# KiCad board VideoEncoder.kicad_pcb
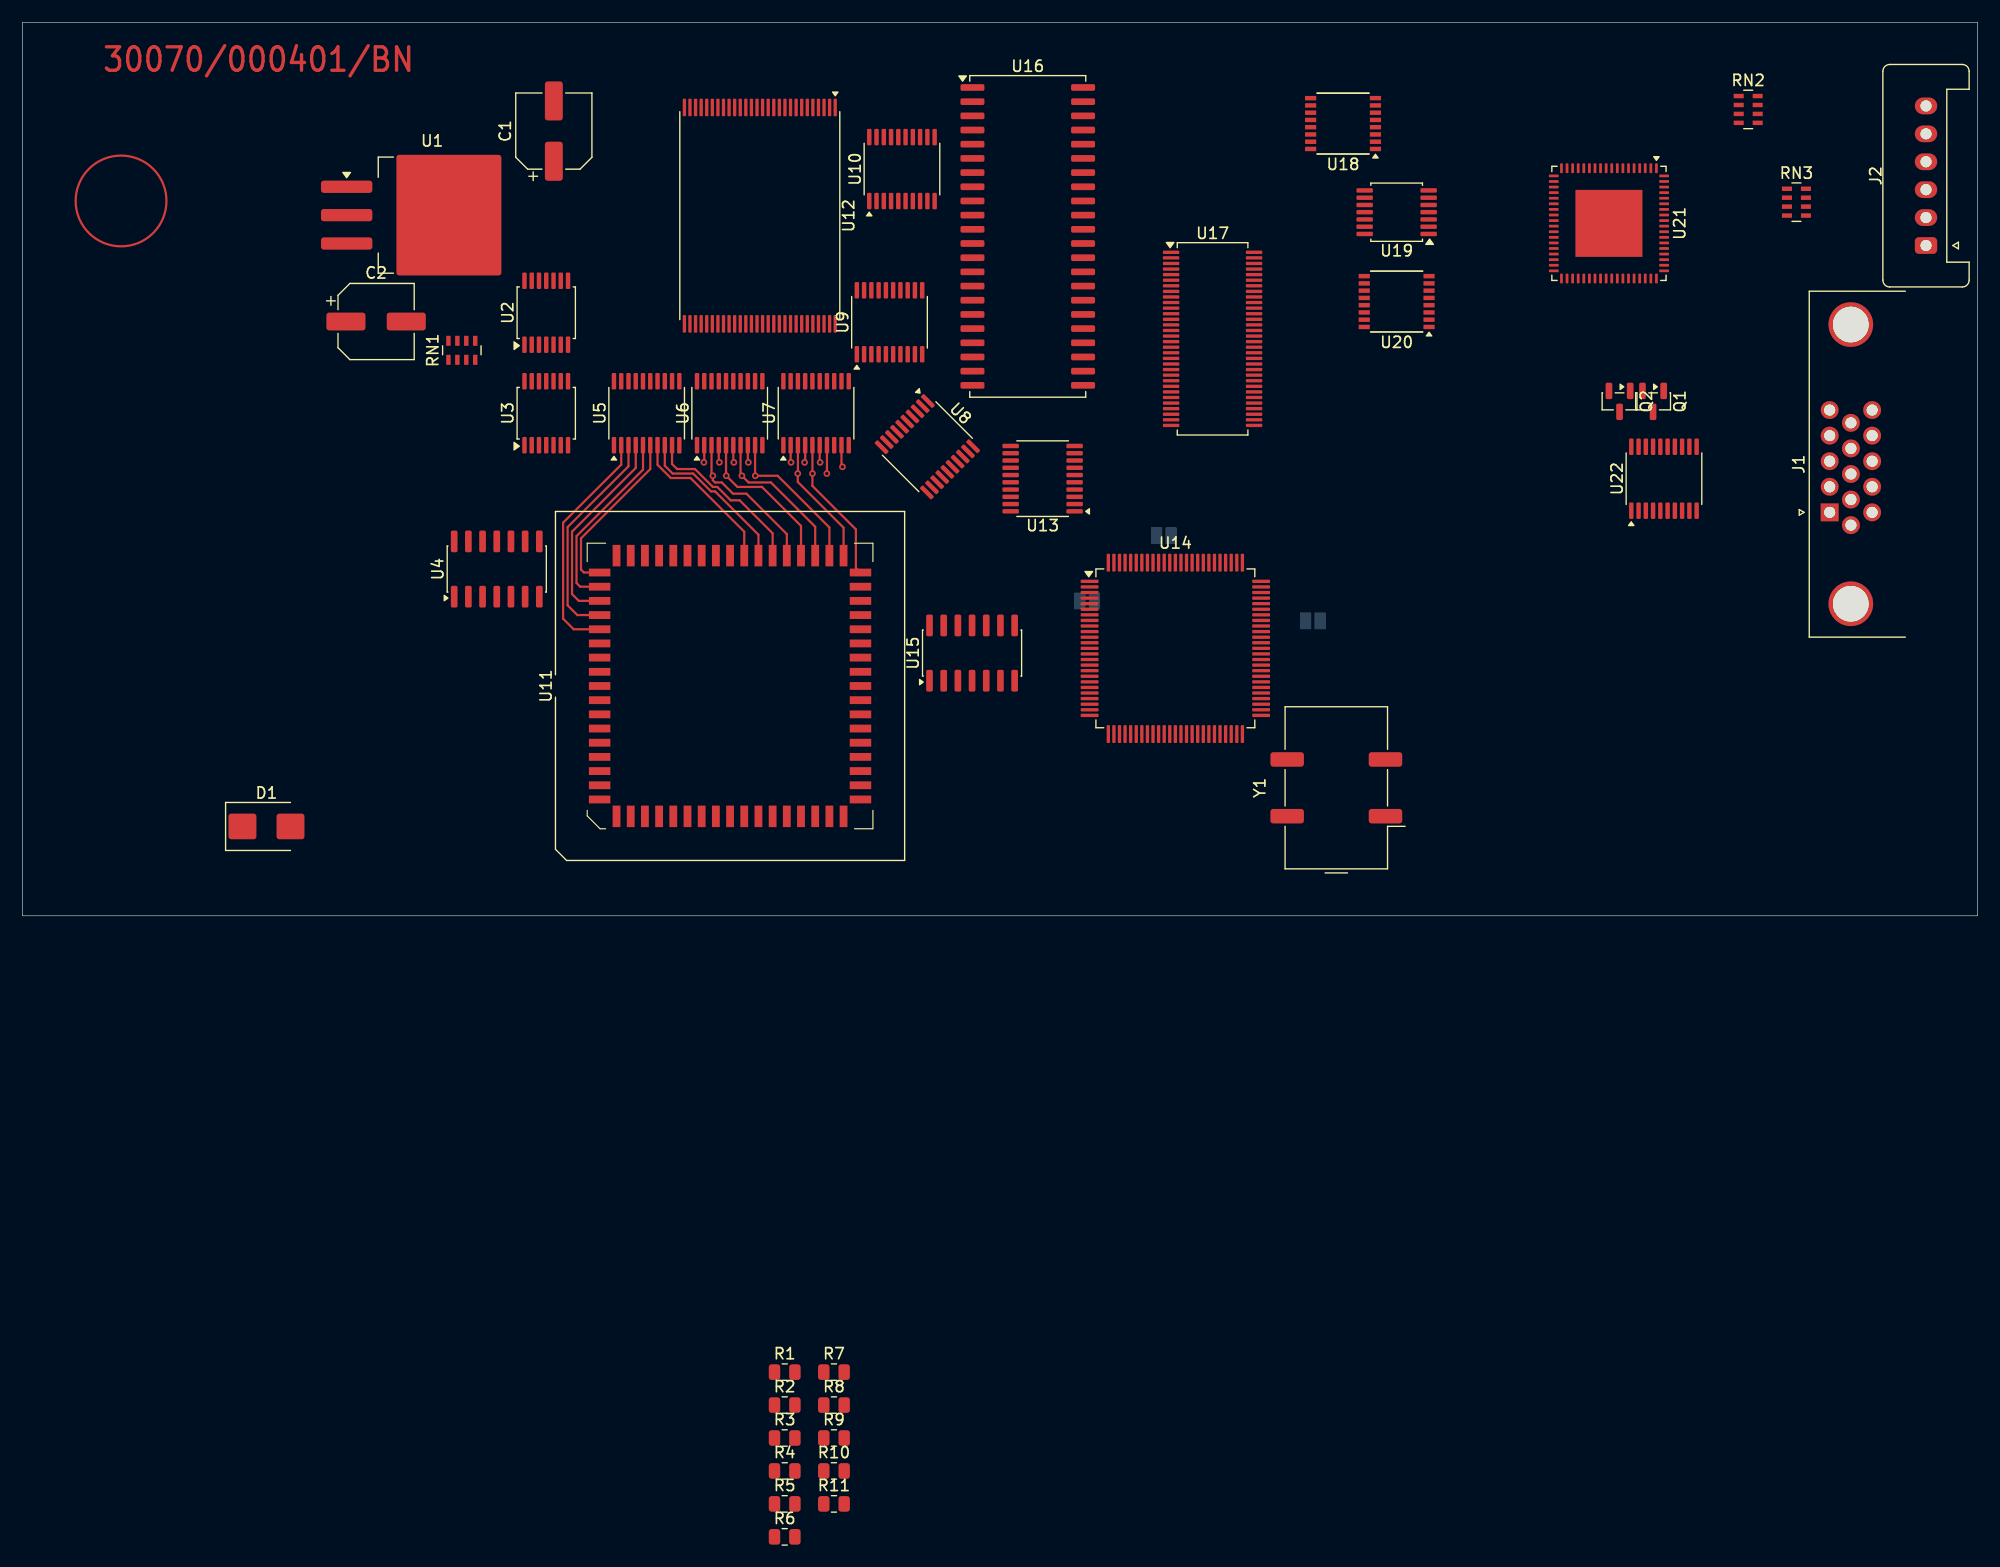
[diagram p0: board, top side]
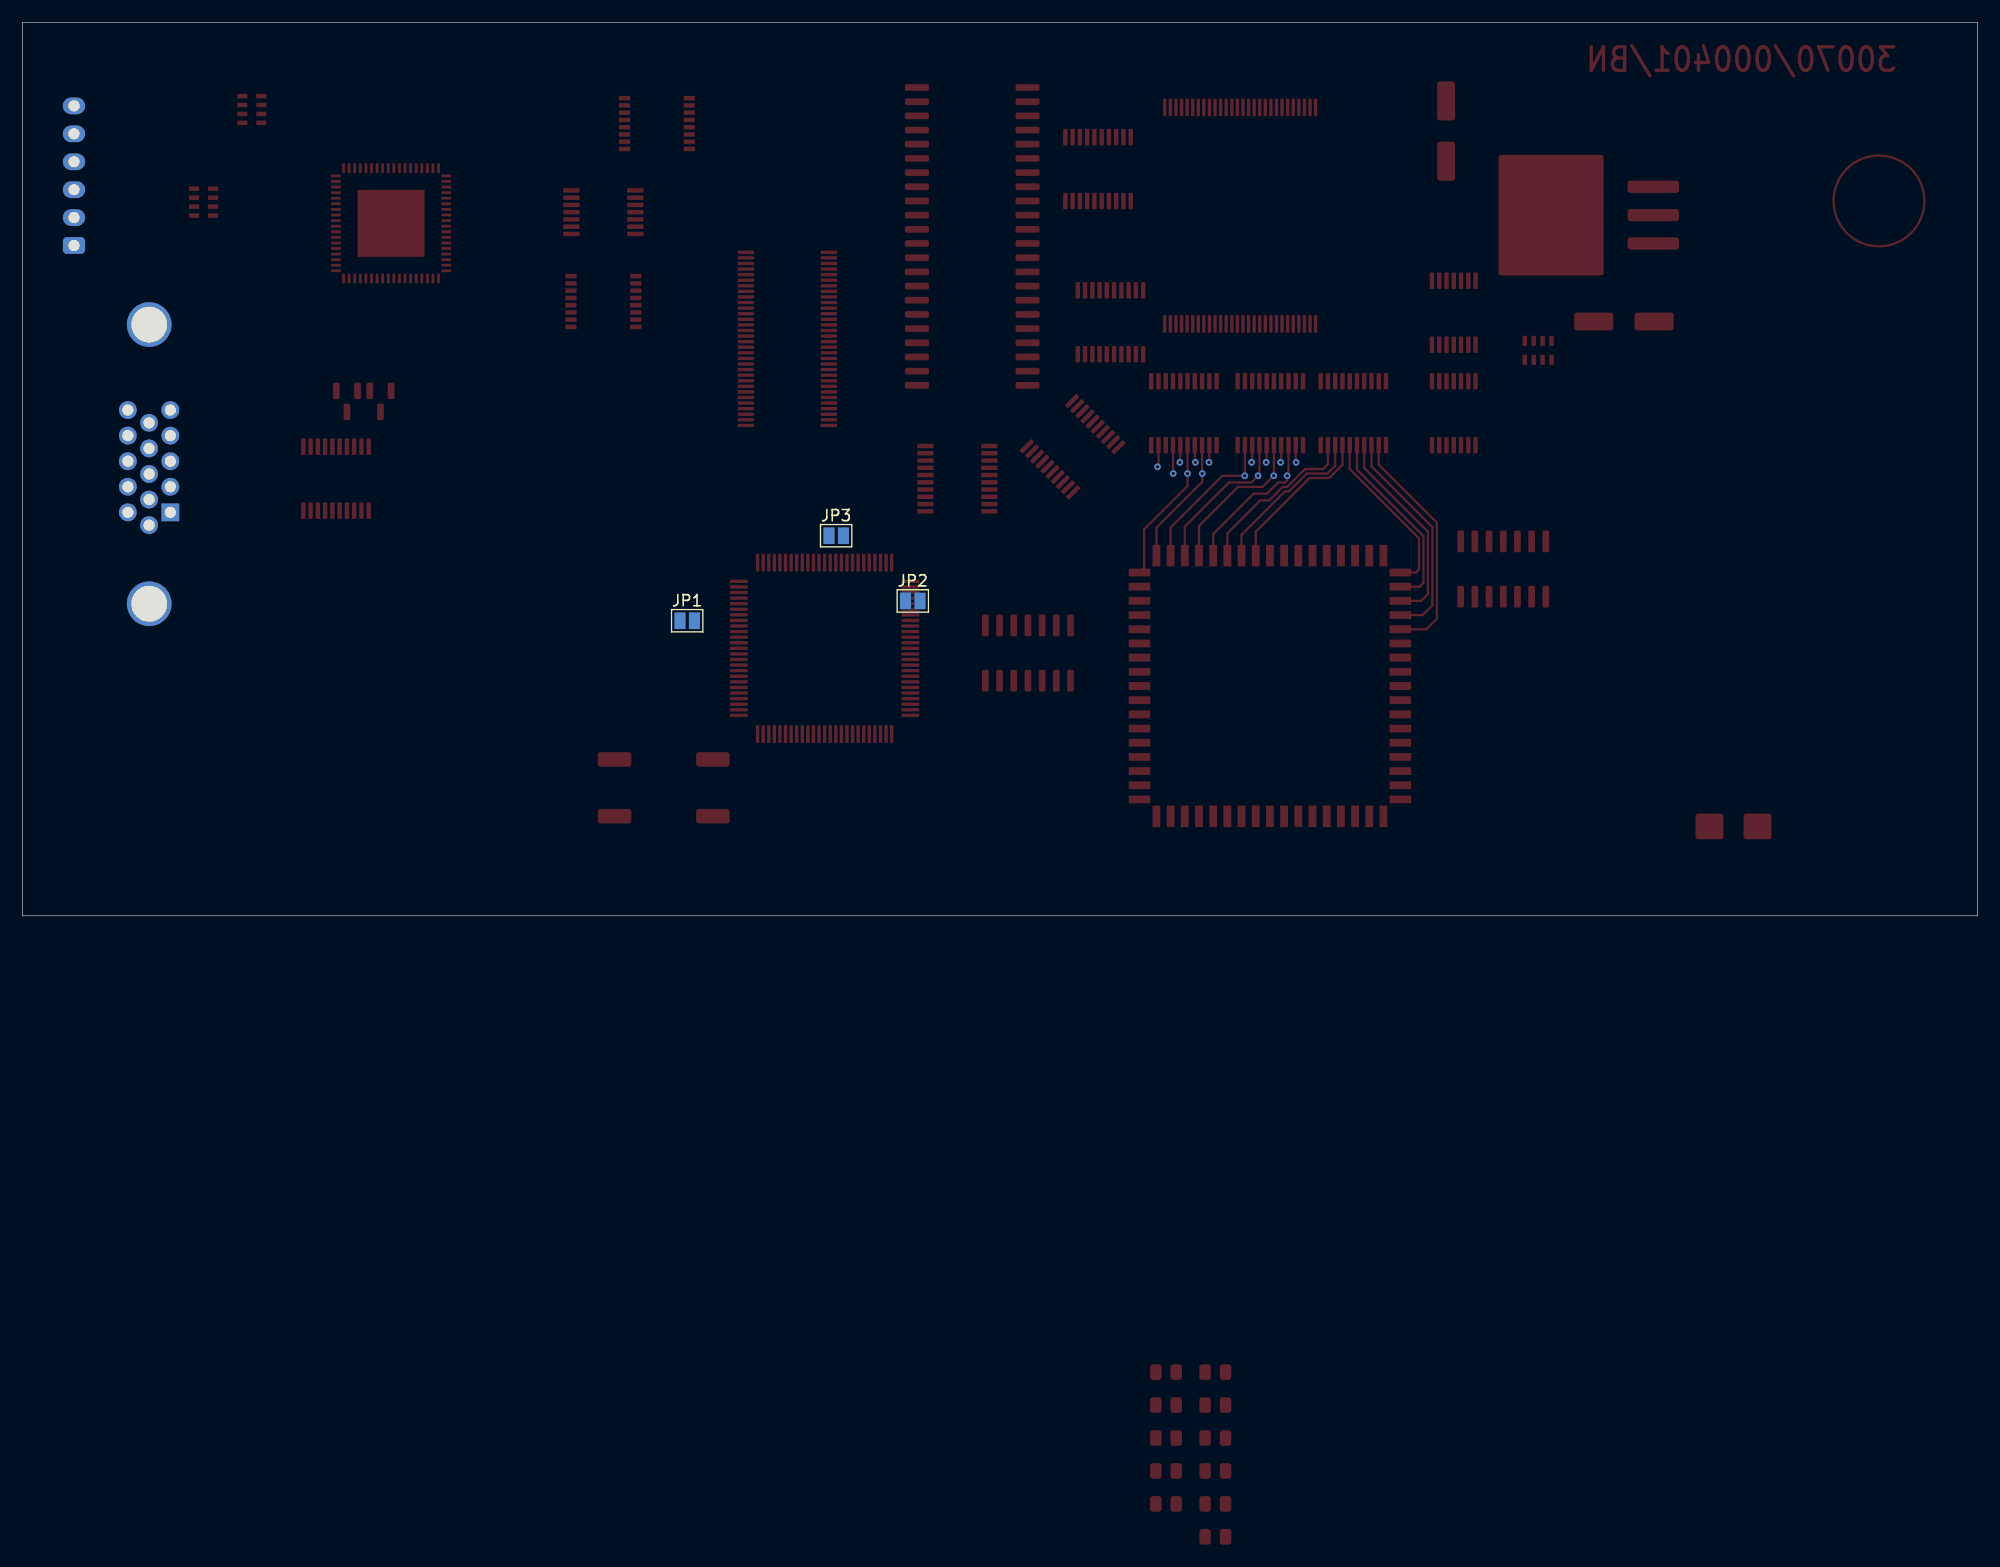
[diagram p1: board, bottom side, seen from below]

Outline 175 x 80 mm; copper layers: Top, Bottom. Coordinates in mm from the lower left corner of the outline.
Outline path: rectangle 0,80 175,0

## Placement (name value [footprint] x y rotation side)
C1  100 6  [CP_Elec_6.3x5.8]  47.57 70.26 90 top
C2  100 6  [CP_Elec_6.3x5.8]  31.66 53.21 0 top
D1  SM6T6V8A  [D_SMB]  21.85 8 0 top
J1  DE15_Socket_HighDensity_MountingHoles  [DSUB-15-HD_Pins_Horizontal_P2.29x1.90mm_EdgePinOffset3.03mm_Housed_MountingHolesOffset4.94mm]  161.76 36.12 90 top
J2  Conn_01x06  [Stocko_MKS_1656-6-0-606_1x6_P2.50mm_Vertical]  170.38 60.02 90 top
JP1  SolderJumper_2_Open  [SolderJumper-2_P1.3mm_Open_Pad1.0x1.5mm]  115.5 26.42 180 bottom
JP2  SolderJumper_2_Open  [SolderJumper-2_P1.3mm_Open_Pad1.0x1.5mm]  95.31 28.19 180 bottom
JP3  SolderJumper_2_Open  [SolderJumper-2_P1.3mm_Open_Pad1.0x1.5mm]  102.16 34.03 180 bottom
Q1  SAs  [SOT-23]  145.95 46.06 270 top
Q2  SAs  [SOT-23]  142.95 46.06 270 top
R1  1k 1%  [R_0805_2012Metric]  68.23 -40.86 0 top
R2  1k 1%  [R_0805_2012Metric]  68.23 -43.81 0 top
R3  1k 1%  [R_0805_2012Metric]  68.23 -46.76 0 top
R4  1k 1%  [R_0805_2012Metric]  68.23 -49.71 0 top
R5  1k 1%  [R_0805_2012Metric]  68.23 -52.66 0 top
R6  120  [R_0805_2012Metric]  68.23 -55.61 0 top
R7  1k 1%  [R_0805_2012Metric]  72.64 -40.86 0 top
R8  1k 1%  [R_0805_2012Metric]  72.64 -43.81 0 top
R9  1k 1%  [R_0805_2012Metric]  72.64 -46.76 0 top
R10  4.64k 1%  [R_0805_2012Metric]  72.64 -49.71 0 top
R11  1k 1%  [R_0805_2012Metric]  72.64 -52.66 0 top
RN1  822  [R_Array_Concave_4x0603]  39.33 50.63 90 top
RN2  220  [R_Array_Concave_4x0603]  154.46 72.2 0 top
RN3  750  [R_Array_Concave_4x0603]  158.78 63.9 0 top
U1  LD1086D2M33TR  [TO-263-3_TabPin2]  36.68 62.74 0 top
U2  74LCX32  [TSSOP-14_4.4x5mm_P0.65mm]  46.89 54 90 top
U3  74LCX14  [TSSOP-14_4.4x5mm_P0.65mm]  46.89 45 90 top
U4  74HC00  [SO-14_3.9x8.65mm_P1.27mm]  42.46 31.05 90 top
U5  74LCX573  [TSSOP-20_4.4x6.5mm_P0.65mm]  55.88 45 90 top
U6  74LCX245  [TSSOP-20_4.4x6.5mm_P0.65mm]  63.31 45 90 top
U7  74LCX245  [TSSOP-20_4.4x6.5mm_P0.65mm]  71.04 45 90 top
U8  74LCX573  [TSSOP-20_4.4x6.5mm_P0.65mm]  81 42 315 top
U9  74LCX573  [TSSOP-20_4.4x6.5mm_P0.65mm]  77.61 53.14 90 top
U10  74LCX245  [TSSOP-20_4.4x6.5mm_P0.65mm]  78.72 66.86 90 top
U11  HD63484_PLCC  [PLCC-68_SMD-Socket]  63.34 20.58 90 top
U12  JS28F640  [TSOP-I-56_18.4x14mm_P0.5mm]  66 62.69 270 top
U13  74LCX573  [TSSOP-20_4.4x6.5mm_P0.65mm]  91.32 39.14 180 top
U14  EPM7032  [LQFP-100_14x14mm_P0.5mm]  103.19 23.95 0 top
U15  74AHCT125  [SO-14_3.9x8.65mm_P1.27mm]  85 23.53 90 top
U16  HYB514171  [SOJ-44_10.16x28.575mm_P1.27mm]  89.98 60.83 0 top
U17  MSM5416283  [TSSOP-64_6.1x17mm_P0.5mm]  106.53 51.66 0 top
U18  74LVC2G157  [SSOP-16_4.4x5.2mm_P0.65mm]  118.2 70.94 180 top
U19  74LCX32  [TSSOP-14_4.4x5mm_P0.65mm]  123 63 180 top
U20  74LVC2G157  [SSOP-16_4.4x5.2mm_P0.65mm]  123 55 180 top
U21  SAA7105  [QFN-72-1EP_10x10mm_P0.5mm_EP6x6mm]  142 62 270 top
U22  74LCX573  [TSSOP-20_4.4x6.5mm_P0.65mm]  146.93 39.14 90 top
Y1  SG-615  [Oscillator_SMD_SeikoEpson_SG8002JA-4Pin_14.0x8.7mm]  117.6 11.46 90 top

## Library data of the parts
C1 C2 = -: Description: Polarized capacitor; KiLib_Generator: capacitor/SMD/elec_round_polarized; ki_fp_filters: CP_*
D1 = -: Datasheet: https://www.st.com/resource/en/datasheet/sm6t.pdf; Description: 600W unidirectional Transil Transient Voltage Suppressor, 6.8Vrwm, DO-214AA; ki_fp_filters: D*SMB*
J1 = -: Description: 15-pin D-SUB connector, socket (female), High density (3 columns), Triple Row, Generic, VGA-connector, Mounting Hole; KiLib_Generator: connector/D_sub; ki_fp_filters: DSUB*Socket*
J2 = -: Description: Generic connector, single row, 01x06, script generated (kicad-library-utils/schlib/autogen/connector/); KiLib_Generator: connector/Stocko; ki_fp_filters: Connector*:*_1x??_*
JP1-JP3 = -: Description: Solder Jumper, 2-pole, open; ki_fp_filters: SolderJumper*Open*
Q1 Q2 = -: Description: PNP transistor, emitter/base/collector; KiLib_Generator: package/gullwing; Sim.Device: PNP; Sim.Pins: 1=E 2=B 3=C
R1-R11 = -: Description: Resistor; KiLib_Generator: SMD_2terminal_chip_molded; ki_fp_filters: R_*
RN1-RN3 = -: Description: 4 resistor network, parallel topology; ki_fp_filters: DIP* SOIC* R*Array*Concave* R*Array*Convex* MSOP*
U1 = -: Datasheet: https://www.st.com/resource/en/datasheet/ld1086.pdf; Description: Positive, 1.5A 30V, Linear Regulator, Fixed Output 3.3V, TO-263; KiLib_Generator: package/TO_SOT/SMD; ki_fp_filters: TO?263*TabPin2*
U2 U19 = -: Datasheet: http://www.ti.com/lit/gpn/sn74LS32; Description: Quad 2-input OR; KiLib_Generator: package/gullwing; ki_fp_filters: DIP?14*
U3 = -: Datasheet: http://www.ti.com/lit/gpn/sn74HC14; Description: Hex inverter schmitt trigger; KiLib_Generator: package/gullwing; ki_fp_filters: DIP*W7.62mm*
U4 = -: Datasheet: http://www.ti.com/lit/gpn/sn74hc00; Description: quad 2-input NAND gate; KiLib_Generator: package/gullwing; ki_fp_filters: DIP*W7.62mm* SO14*
U5 U8 U9 U13 U22 = -: Datasheet: https://assets.nexperia.com/documents/data-sheet/74HC_HCT573.pdf; Description: 8-bit Latch 3-state outputs; KiLib_Generator: package/gullwing; ki_fp_filters: DIP?20*
U6 U7 U10 = -: Datasheet: http://www.ti.com/lit/gpn/sn74LS245; Description: Octal BUS Transceivers, 3-State outputs; KiLib_Generator: package/gullwing; ki_fp_filters: DIP?20*
U12 = -: Datasheet: https://www.alldatasheet.com/datasheet-pdf/pdf/123809/INTEL/JS28F640J3A-110.html; Description: Intel StrataFlash® NOR Memory 256-Mbit (x8/x16) TSOP-56; KiLib_Generator: package/gullwing; ki_fp_filters: TSOP*
U14 = -: Datasheet: https://www.altera.com/content/dam/altera-www/global/en_US/pdfs/literature/hb/max2/max2_mii5v1.pdf; Description: Altera MAX2 CPLD with 240 LE; KiLib_Generator: package/gullwing; ki_fp_filters: *QFP*P0.5mm*
U15 = -: Datasheet: https://www.ti.com/lit/ds/symlink/sn74ahct125.pdf; Description: Quadruple Bus Buffer Gates With 3-State Outputs; KiLib_Generator: package/gullwing; ki_fp_filters: DIP*W7.62mm* SO14* SSOP?14* TSSOP?14* SOIC*3.9x8.7mm*P1.27mm*
U16 = -: Datasheet: http://www.issi.com/WW/pdf/61-64C5128AL.pdf; Description: 512K x 8 HIGH-SPEED CMOS STATIC RAM, 10ns, SOJ-36; KiLib_Generator: package/gullwing; ki_fp_filters: SOJ*10.16*23.*P1.27mm*
U17 = -: Datasheet: https://ecee.colorado.edu/~mcclurel/Cypress_SRAM_CY62256.pdf; Description: 256K (32K x 8) Static RAM, 70ns, DIP-28; KiLib_Generator: package/gullwing; ki_fp_filters: DIP*W15.24mm*
U18 U20 = -: Datasheet: http://www.ti.com/lit/sg/scyt129e/scyt129e.pdf; Description: Single 2 to 1 Multiplexer, Low-Voltage CMOS; ki_fp_filters: SSOP* VSSOP*
U21 = -: Datasheet: http://rcl-radio.ru/wp-content/uploads/2014/11/SAA7182.pdf; Description: Digital Video Encoder, Obsolete; KiLib_Generator: package/no_lead
Y1 = -: Datasheet: https://support.epson.biz/td/api/doc_check.php?mode=dl&lang=en&Parts=SG-51P; Description: CMOS Clock Oscillator; KiLib_Generator: crystal_resonator_oscillator; ki_fp_filters: Oscillator*SMD*SeikoEpson*SG8002JA*14.0x8.7mm*

## Footprints (pads in the part's own frame, mm; a bottom-side part is the same pattern mirrored in y, then rotated)
CP_Elec_6.3x5.8
  rrect 3.5x1.6 smd: 1(-2.7,0) 2(2.7,0)
D_SMB
  rrect 2.5x2.3 smd: 1(-2.15,0) 2(2.15,0)
DSUB-15-HD_Pins_Horizontal_P2.29x1.90mm_EdgePinOffset3.03mm_Housed_MountingHolesOffset4.94mm
  rect 1.6x1.6 hole 1: 1(0,0)
  round 1.6 hole 1: 2(2.29,0) 3(4.58,0) 4(6.87,0) 5(9.16,0) 6(-1.145,-1.9) 7(1.145,-1.9) 8(3.435,-1.9) 9(5.725,-1.9) 10(8.015,-1.9) 11(0,-3.8) 12(2.29,-3.8) 13(4.58,-3.8) 14(6.87,-3.8) 15(9.16,-3.8)
  round 4 hole 3.2: SH(-8.185,-1.89) SH(16.815,-1.89)
LQFP-100_14x14mm_P0.5mm
  rrect 1.6x0.3 smd: 1(-7.675,6) 2(-7.675,5.5) 3(-7.675,5) 4(-7.675,4.5) 5(-7.675,4) 6(-7.675,3.5) 7(-7.675,3) 8(-7.675,2.5) 9(-7.675,2) 10(-7.675,1.5) 11(-7.675,1) 12(-7.675,0.5) 13(-7.675,0) 14(-7.675,-0.5) 15(-7.675,-1) 16(-7.675,-1.5) 17(-7.675,-2) 18(-7.675,-2.5) 19(-7.675,-3) 20(-7.675,-3.5) 21(-7.675,-4) 22(-7.675,-4.5) 23(-7.675,-5) 24(-7.675,-5.5) 25(-7.675,-6) 51(7.675,-6) 52(7.675,-5.5) 53(7.675,-5) 54(7.675,-4.5) 55(7.675,-4) 56(7.675,-3.5) 57(7.675,-3) 58(7.675,-2.5) 59(7.675,-2) 60(7.675,-1.5) 61(7.675,-1) 62(7.675,-0.5) 63(7.675,0) 64(7.675,0.5) 65(7.675,1) 66(7.675,1.5) 67(7.675,2) 68(7.675,2.5) 69(7.675,3) 70(7.675,3.5) 71(7.675,4) 72(7.675,4.5) 73(7.675,5) 74(7.675,5.5) 75(7.675,6)
  rrect 0.3x1.6 smd: 26(-6,-7.675) 27(-5.5,-7.675) 28(-5,-7.675) 29(-4.5,-7.675) 30(-4,-7.675) 31(-3.5,-7.675) 32(-3,-7.675) 33(-2.5,-7.675) 34(-2,-7.675) 35(-1.5,-7.675) 36(-1,-7.675) 37(-0.5,-7.675) 38(0,-7.675) 39(0.5,-7.675) 40(1,-7.675) 41(1.5,-7.675) 42(2,-7.675) 43(2.5,-7.675) 44(3,-7.675) 45(3.5,-7.675) 46(4,-7.675) 47(4.5,-7.675) 48(5,-7.675) 49(5.5,-7.675) 50(6,-7.675) 76(6,7.675) 77(5.5,7.675) 78(5,7.675) 79(4.5,7.675) 80(4,7.675) 81(3.5,7.675) 82(3,7.675) 83(2.5,7.675) 84(2,7.675) 85(1.5,7.675) 86(1,7.675) 87(0.5,7.675) 88(0,7.675) 89(-0.5,7.675) 90(-1,7.675) 91(-1.5,7.675) 92(-2,7.675) 93(-2.5,7.675) 94(-3,7.675) 95(-3.5,7.675) 96(-4,7.675) 97(-4.5,7.675) 98(-5,7.675) 99(-5.5,7.675) 100(-6,7.675)
Oscillator_SMD_SeikoEpson_SG8002JA-4Pin_14.0x8.7mm
  rrect 1.3x3 smd: 1(-2.54,-4.4) 2(2.54,-4.4) 3(2.54,4.4) 4(-2.54,4.4)
PLCC-68_SMD-Socket
  rect 0.7x1.925 smd: 1(0,11.672) 2(-1.27,11.672) 3(-2.54,11.672) 4(-3.81,11.672) 5(-5.08,11.672) 6(-6.35,11.672) 7(-7.62,11.672) 8(-8.89,11.672) 9(-10.16,11.672) 27(-10.16,-11.672) 28(-8.89,-11.672) 29(-7.62,-11.672) 30(-6.35,-11.672) 31(-5.08,-11.672) 32(-3.81,-11.672) 33(-2.54,-11.672) 34(-1.27,-11.672) 35(0,-11.672) 36(1.27,-11.672) 37(2.54,-11.672) 38(3.81,-11.672) 39(5.08,-11.672) 40(6.35,-11.672) 41(7.62,-11.672) 42(8.89,-11.672) 43(10.16,-11.672) 61(10.16,11.672) 62(8.89,11.672) 63(7.62,11.672) 64(6.35,11.672) 65(5.08,11.672) 66(3.81,11.672) 67(2.54,11.672) 68(1.27,11.672)
  rect 1.925x0.7 smd: 10(-11.672,10.16) 11(-11.672,8.89) 12(-11.672,7.62) 13(-11.672,6.35) 14(-11.672,5.08) 15(-11.672,3.81) 16(-11.672,2.54) 17(-11.672,1.27) 18(-11.672,0) 19(-11.672,-1.27) 20(-11.672,-2.54) 21(-11.672,-3.81) 22(-11.672,-5.08) 23(-11.672,-6.35) 24(-11.672,-7.62) 25(-11.672,-8.89) 26(-11.672,-10.16) 44(11.672,-10.16) 45(11.672,-8.89) 46(11.672,-7.62) 47(11.672,-6.35) 48(11.672,-5.08) 49(11.672,-3.81) 50(11.672,-2.54) 51(11.672,-1.27) 52(11.672,0) 53(11.672,1.27) 54(11.672,2.54) 55(11.672,3.81) 56(11.672,5.08) 57(11.672,6.35) 58(11.672,7.62) 59(11.672,8.89) 60(11.672,10.16)
QFN-72-1EP_10x10mm_P0.5mm_EP6x6mm
  rrect 1.61x1.61 smd: (-2,2) (-2,0) (-2,-2) (0,2) (0,0) (0,-2) (2,2) (2,0) (2,-2)
  rrect 0.875x0.25 smd: 1(-4.938,4.25) 2(-4.938,3.75) 3(-4.938,3.25) 4(-4.938,2.75) 5(-4.938,2.25) 6(-4.938,1.75) 7(-4.938,1.25) 8(-4.938,0.75) 9(-4.938,0.25) 10(-4.938,-0.25) 11(-4.938,-0.75) 12(-4.938,-1.25) 13(-4.938,-1.75) 14(-4.938,-2.25) 15(-4.938,-2.75) 16(-4.938,-3.25) 17(-4.938,-3.75) 18(-4.938,-4.25) 37(4.938,-4.25) 38(4.938,-3.75) 39(4.938,-3.25) 40(4.938,-2.75) 41(4.938,-2.25) 42(4.938,-1.75) 43(4.938,-1.25) 44(4.938,-0.75) 45(4.938,-0.25) 46(4.938,0.25) 47(4.938,0.75) 48(4.938,1.25) 49(4.938,1.75) 50(4.938,2.25) 51(4.938,2.75) 52(4.938,3.25) 53(4.938,3.75) 54(4.938,4.25)
  rrect 0.25x0.875 smd: 19(-4.25,-4.938) 20(-3.75,-4.938) 21(-3.25,-4.938) 22(-2.75,-4.938) 23(-2.25,-4.938) 24(-1.75,-4.938) 25(-1.25,-4.938) 26(-0.75,-4.938) 27(-0.25,-4.938) 28(0.25,-4.938) 29(0.75,-4.938) 30(1.25,-4.938) 31(1.75,-4.938) 32(2.25,-4.938) 33(2.75,-4.938) 34(3.25,-4.938) 35(3.75,-4.938) 36(4.25,-4.938) 55(4.25,4.938) 56(3.75,4.938) 57(3.25,4.938) 58(2.75,4.938) 59(2.25,4.938) 60(1.75,4.938) 61(1.25,4.938) 62(0.75,4.938) 63(0.25,4.938) 64(-0.25,4.938) 65(-0.75,4.938) 66(-1.25,4.938) 67(-1.75,4.938) 68(-2.25,4.938) 69(-2.75,4.938) 70(-3.25,4.938) 71(-3.75,4.938) 72(-4.25,4.938)
  rect 6x6 smd: 73(0,0)
R_0805_2012Metric
  rrect 1.025x1.4 smd: 1(-0.912,0) 2(0.912,0)
R_Array_Concave_4x0603
  rect 0.9x0.4 smd: 1(-0.85,1.2) 2(-0.85,0.4) 3(-0.85,-0.4) 4(-0.85,-1.2) 5(0.85,-1.2) 6(0.85,-0.4) 7(0.85,0.4) 8(0.85,1.2)
SO-14_3.9x8.65mm_P1.27mm
  rrect 1.95x0.6 smd: 1(-2.475,3.81) 2(-2.475,2.54) 3(-2.475,1.27) 4(-2.475,0) 5(-2.475,-1.27) 6(-2.475,-2.54) 7(-2.475,-3.81) 8(2.475,-3.81) 9(2.475,-2.54) 10(2.475,-1.27) 11(2.475,0) 12(2.475,1.27) 13(2.475,2.54) 14(2.475,3.81)
SOJ-44_10.16x28.575mm_P1.27mm
  rrect 2.15x0.6 smd: 1(-4.95,13.335) 2(-4.95,12.065) 3(-4.95,10.795) 4(-4.95,9.525) 5(-4.95,8.255) 6(-4.95,6.985) 7(-4.95,5.715) 8(-4.95,4.445) 9(-4.95,3.175) 10(-4.95,1.905) 11(-4.95,0.635) 12(-4.95,-0.635) 13(-4.95,-1.905) 14(-4.95,-3.175) 15(-4.95,-4.445) 16(-4.95,-5.715) 17(-4.95,-6.985) 18(-4.95,-8.255) 19(-4.95,-9.525) 20(-4.95,-10.795) 21(-4.95,-12.065) 22(-4.95,-13.335) 23(4.95,-13.335) 24(4.95,-12.065) 25(4.95,-10.795) 26(4.95,-9.525) 27(4.95,-8.255) 28(4.95,-6.985) 29(4.95,-5.715) 30(4.95,-4.445) 31(4.95,-3.175) 32(4.95,-1.905) 33(4.95,-0.635) 34(4.95,0.635) 35(4.95,1.905) 36(4.95,3.175) 37(4.95,4.445) 38(4.95,5.715) 39(4.95,6.985) 40(4.95,8.255) 41(4.95,9.525) 42(4.95,10.795) 43(4.95,12.065) 44(4.95,13.335)
SolderJumper-2_P1.3mm_Open_Pad1.0x1.5mm
  rect 1x1.5 smd: 1(-0.65,0) 2(0.65,0)
SOT-23
  rrect 1.475x0.6 smd: 1(-0.938,0.95) 2(-0.938,-0.95) 3(0.938,0)
SSOP-16_4.4x5.2mm_P0.65mm
  rect 1x0.4 smd: 1(-2.9,2.275) 2(-2.9,1.625) 3(-2.9,0.975) 4(-2.9,0.325) 5(-2.9,-0.325) 6(-2.9,-0.975) 7(-2.9,-1.625) 8(-2.9,-2.275) 9(2.9,-2.275) 10(2.9,-1.625) 11(2.9,-0.975) 12(2.9,-0.325) 13(2.9,0.325) 14(2.9,0.975) 15(2.9,1.625) 16(2.9,2.275)
Stocko_MKS_1656-6-0-606_1x6_P2.50mm_Vertical
  rrect 1.5x2 hole 1: 1(0,0)
  oval 1.5x2 hole 1: 2(2.5,0) 3(5,0) 4(7.5,0) 5(10,0) 6(12.5,0)
TO-263-3_TabPin2
  rrect 4.55x5.25 smd: (-0.925,2.775) (-0.925,-2.775) (3.925,2.775) (3.925,-2.775)
  rrect 4.6x1.1 smd: 1(-7.65,2.54) 2(-7.65,0) 3(-7.65,-2.54)
  rrect 9.4x10.8 smd: 2(1.5,0)
TSOP-I-56_18.4x14mm_P0.5mm
  rrect 1.575x0.3 smd: 1(-9.688,6.75) 2(-9.688,6.25) 3(-9.688,5.75) 4(-9.688,5.25) 5(-9.688,4.75) 6(-9.688,4.25) 7(-9.688,3.75) 8(-9.688,3.25) 9(-9.688,2.75) 10(-9.688,2.25) 11(-9.688,1.75) 12(-9.688,1.25) 13(-9.688,0.75) 14(-9.688,0.25) 15(-9.688,-0.25) 16(-9.688,-0.75) 17(-9.688,-1.25) 18(-9.688,-1.75) 19(-9.688,-2.25) 20(-9.688,-2.75) 21(-9.688,-3.25) 22(-9.688,-3.75) 23(-9.688,-4.25) 24(-9.688,-4.75) 25(-9.688,-5.25) 26(-9.688,-5.75) 27(-9.688,-6.25) 28(-9.688,-6.75) 29(9.688,-6.75) 30(9.688,-6.25) 31(9.688,-5.75) 32(9.688,-5.25) 33(9.688,-4.75) 34(9.688,-4.25) 35(9.688,-3.75) 36(9.688,-3.25) 37(9.688,-2.75) 38(9.688,-2.25) 39(9.688,-1.75) 40(9.688,-1.25) 41(9.688,-0.75) 42(9.688,-0.25) 43(9.688,0.25) 44(9.688,0.75) 45(9.688,1.25) 46(9.688,1.75) 47(9.688,2.25) 48(9.688,2.75) 49(9.688,3.25) 50(9.688,3.75) 51(9.688,4.25) 52(9.688,4.75) 53(9.688,5.25) 54(9.688,5.75) 55(9.688,6.25) 56(9.688,6.75)
TSSOP-14_4.4x5mm_P0.65mm
  rrect 1.475x0.4 smd: 1(-2.862,1.95) 2(-2.862,1.3) 3(-2.862,0.65) 4(-2.862,0) 5(-2.862,-0.65) 6(-2.862,-1.3) 7(-2.862,-1.95) 8(2.862,-1.95) 9(2.862,-1.3) 10(2.862,-0.65) 11(2.862,0) 12(2.862,0.65) 13(2.862,1.3) 14(2.862,1.95)
TSSOP-20_4.4x6.5mm_P0.65mm
  rrect 1.475x0.4 smd: 1(-2.862,2.925) 2(-2.862,2.275) 3(-2.862,1.625) 4(-2.862,0.975) 5(-2.862,0.325) 6(-2.862,-0.325) 7(-2.862,-0.975) 8(-2.862,-1.625) 9(-2.862,-2.275) 10(-2.862,-2.925) 11(2.862,-2.925) 12(2.862,-2.275) 13(2.862,-1.625) 14(2.862,-0.975) 15(2.862,-0.325) 16(2.862,0.325) 17(2.862,0.975) 18(2.862,1.625) 19(2.862,2.275) 20(2.862,2.925)
TSSOP-64_6.1x17mm_P0.5mm
  rrect 1.475x0.3 smd: 1(-3.712,7.75) 2(-3.712,7.25) 3(-3.712,6.75) 4(-3.712,6.25) 5(-3.712,5.75) 6(-3.712,5.25) 7(-3.712,4.75) 8(-3.712,4.25) 9(-3.712,3.75) 10(-3.712,3.25) 11(-3.712,2.75) 12(-3.712,2.25) 13(-3.712,1.75) 14(-3.712,1.25) 15(-3.712,0.75) 16(-3.712,0.25) 17(-3.712,-0.25) 18(-3.712,-0.75) 19(-3.712,-1.25) 20(-3.712,-1.75) 21(-3.712,-2.25) 22(-3.712,-2.75) 23(-3.712,-3.25) 24(-3.712,-3.75) 25(-3.712,-4.25) 26(-3.712,-4.75) 27(-3.712,-5.25) 28(-3.712,-5.75) 29(-3.712,-6.25) 30(-3.712,-6.75) 31(-3.712,-7.25) 32(-3.712,-7.75) 33(3.712,-7.75) 34(3.712,-7.25) 35(3.712,-6.75) 36(3.712,-6.25) 37(3.712,-5.75) 38(3.712,-5.25) 39(3.712,-4.75) 40(3.712,-4.25) 41(3.712,-3.75) 42(3.712,-3.25) 43(3.712,-2.75) 44(3.712,-2.25) 45(3.712,-1.75) 46(3.712,-1.25) 47(3.712,-0.75) 48(3.712,-0.25) 49(3.712,0.25) 50(3.712,0.75) 51(3.712,1.25) 52(3.712,1.75) 53(3.712,2.25) 54(3.712,2.75) 55(3.712,3.25) 56(3.712,3.75) 57(3.712,4.25) 58(3.712,4.75) 59(3.712,5.25) 60(3.712,5.75) 61(3.712,6.25) 62(3.712,6.75) 63(3.712,7.25) 64(3.712,7.75)

## Nets
GND: J2.4 U4.7 U5.10 U6.10 U7.10 U8.10 U11.17 U11.18 U11.35 U11.54 U11.55 U13.10
B: J2.3
G: J2.2
MAD0: U5.2 U11.65
MAD1: U5.3 U11.64
MAD2: U5.4 U11.63
MAD3: U5.5 U11.62
MAD4: U5.6 U11.61
MAD5: U5.7 U11.51
MAD6: U5.8 U11.50
MAD7: U5.9 U11.49
MAD8: U6.3 U11.48
MAD9: U6.5 U11.47
MAD10: U6.7 U11.46
MAD11: U6.9 U11.45
MAD12: U7.3 U11.44
MAD13: U7.5 U11.43
MAD14: U11.42
MAD15: U11.41
R: J2.1
SYN: J2.5
Net-(U16-GND-Pad10): U16.10 U16.28
Net-(U16-VDD-Pad27): U16.9 U16.27

Pads without a net: C1 1 2; C2 1 2; D1 1 2; J1 1 2 3 4 5 6 7 8 9 10 11 12 13 14 15 SH; J2 6; JP1 1 2; JP2 1 2; JP3 1 2; Q1 1 2 3; Q2 1 2 3; R1 1 2; R2 1 2; R3 1 2; R4 1 2; R5 1 2; R6 1 2; R7 1 2; R8 1 2; R9 1 2; R10 1 2; R11 1 2; RN1 1 2 3 4 5 6 7 8; RN2 1 2 3 4 5 6 7 8; RN3 1 2 3 4 5 6 7 8; U1 1 2 3; U2 1 2 3 4 5 6 7 8 9 10 11 12 13 14; U3 1 2 3 4 5 6 7 8 9 10 11 12 13 14; U4 1 2 3 4 5 6 8 9 10 11 12 13 14; U5 1 11 12 13 14 15 16 17 18 19 20; U6 1 2 4 6 8 11 12 13 14 15 16 17 18 19 20; U7 1 2 4 6 7 8 9 11 12 13 14 15 16 17 18 19 20; U8 1 2 3 4 5 6 7 8 9 11 12 13 14 15 16 17 18 19 20; U9 1 2 3 4 5 6 7 8 9 10 11 12 13 14 15 16 17 18 19 20; U10 1 2 3 4 5 6 7 8 9 10 11 12 13 14 15 16 17 18 19 20; U11 1 2 3 4 5 6 7 8 9 10 11 12 13 14 15 16 19 20 21 22 23 24 25 26 27 28 29 30 31 32 33 34 36 37 38 39 40 52 53 56 57 58 59 60 66 67 68; U12 1 2 3 4 5 6 7 8 9 10 11 12 13 14 15 16 17 18 19 20 21 22 23 24 25 26 27 28 29 30 31 32 33 34 35 36 37 38 39 40 41 42 43 44 45 46 47 48 49 50 51 52 53 54 55 56; U13 1 2 3 4 5 6 7 8 9 11 12 13 14 15 16 17 18 19 20; U14 1 2 3 4 5 6 7 8 9 10 11 12 13 14 15 16 17 18 19 20 21 22 23 24 25 26 27 28 29 30 31 32 33 34 35 36 37 38 39 40 41 42 43 44 45 46 47 48 49 50 51 52 53 54 55 56 57 58 59 60 61 62 63 64 65 66 67 68 69 70 71 72 73 74 75 76 77 78 79 80 81 82 83 84 85 86 87 88 89 90 91 92 93 94 95 96 97 98 99 100; U15 1 2 3 4 5 6 7 8 9 10 11 12 13 14; U16 1 2 3 4 5 6 7 8 11 12 13 14 15 16 17 18 19 20 21 22 23 24 25 26 29 30 31 32 33 34 35 36 37 38 39 40 41 42 43 44; U17 1 2 3 4 5 6 7 8 9 10 11 12 13 14 15 16 17 18 19 20 21 22 23 24 25 26 27 28 29 30 31 32 33 34 35 36 37 38 39 40 41 42 43 44 45 46 47 48 49 50 51 52 53 54 55 56 57 58 59 60 61 62 63 64; U18 1 2 3 4 5 6 7 8 9 10 11 12 13 14 15 16; U19 1 2 3 4 5 6 7 8 9 10 11 12 13 14; U20 1 2 3 4 5 6 7 8 9 10 11 12 13 14 15 16; U21 1 2 3 4 5 6 7 8 9 10 11 12 13 14 15 16 17 18 19 20 21 22 23 24 25 26 27 28 29 30 31 32 33 34 35 36 37 38 39 40 41 42 43 44 45 46 47 48 49 50 51 52 53 54 55 56 57 58 59 60 61 62 63 64 65 66 67 68 69 70 71 72 73; U22 1 2 3 4 5 6 7 8 9 10 11 12 13 14 15 16 17 18 19 20; Y1 1 2 3 4

## Via types
v1: diameter 0.6, hole 0.3, Top to Bottom, 15 vias

## Routing (per net, layer and track width the routed paths; a pad name or vN(x,y) marks a point on that pad's centre or on a via; arc(x,y) is an arc through that point)
MAD0: length 21.3
  Top w0.2: U11.65 49.34,25.66 48.4,26.6 48.4,35.2 53.6,40.4 U5.2
MAD1: length 19.8
  Top w0.2: U5.3 54.25,40.25 48.8,34.8 48.8,27.8 49.67,26.93 U11.64
MAD2: length 18.4
  Top w0.2: U11.63 49.8,28.2 49.2,28.8 49.2,34.4 54.9,40.1 U5.4
MAD3: length 17
  Top w0.2: U11.62 49.93,29.47 49.6,29.8 49.6,34 55.55,39.95 U5.5
MAD4: length 15.5
  Top w0.2: U11.61 50.26,30.74 50,31 50,33.8 56.2,40 U5.6
MAD5: length 14.1
  Top w0.2: U5.7 56.85,40.38 58.03,39.2 59.8,39.2 64.61,34.39 U11.51
MAD6: length 14.6
  Top w0.2: U5.8 57.5,40.3 58.2,39.6 60.03,39.6 61.63,38 62,38 65.88,34.12 U11.50
MAD7: length 15.3
  Top w0.2: U11.49 67.15,34.25 64.2,37.2 63.4,37.2 62.2,38.4 61.8,38.4 60.2,40 58.6,40 58.15,40.45 U5.9
MAD8: length 13.7
  Top w0.2: U11.48 68.42,34.18 64.8,37.8 63.6,37.8 62.6,38.8 62,38.8 61.8,39 v1(61.8,39.4) 61.68,39.52 U6.3
MAD9: length 14
  Top w0.2: U6.5 62.98,39.62 63,39.6 v1(63,39.4) 64,38.4 66.2,38.4 69.69,34.91 U11.47
MAD10: length 13.8
  Top w0.2: U6.7 64.28,39.52 v1(64.4,39.4) 65,38.8 67,38.8 70.96,34.84 U11.46
MAD11: length 13.8
  Top w0.2: U11.45 72.23,34.77 67.6,39.4 v1(65.6,39.4) 65.58,39.42 U6.9
MAD12: length 11.6
  Top w0.2: U7.3 69.41,39.61 v1(69.4,39.6) 69.4,38.85 73.5,34.75 U11.44
MAD13: length 13.2
  Top w0.2: 70.71,42.14 v1(70.71,39.6) 70.71,38.49 74.6,34.6 74.6,31.15 U11.43
unconnected-(U6-A0-Pad2): length 1.6
  Top w0.2: v1(61,40.6) 61.03,40.63 61.03,42.14
unconnected-(U6-A2-Pad4): length 1.6
  Top w0.2: U6.4 62.33,40.65 v1(62.38,40.6)
unconnected-(U6-A4-Pad6): length 1.6
  Top w0.2: U6.6 63.63,40.65 v1(63.68,40.6)
unconnected-(U6-A6-Pad8): length 1.6
  Top w0.2: U6.8 64.93,40.65 v1(64.98,40.6)
unconnected-(U7-A0-Pad2): length 1.6
  Top w0.2: v1(68.8,40.6) 68.76,40.64 U7.2
unconnected-(U7-A2-Pad4): length 1.6
  Top w0.2: v1(70.01,40.6) 70.06,40.65 70.06,42.14
unconnected-(U7-A4-Pad6): length 1.6
  Top w0.2: v1(71.4,40.6) 71.36,40.64 U7.6
unconnected-(U7-A5-Pad7): length 2.5
  Top w0.2: U7.7 72.01,39.61 v1(72,39.6)
unconnected-(U7-A7-Pad9): length 2
  Top w0.2: v1(73.4,40.2) 73.31,40.29 73.31,42.14

## Text on the board
Top: 30070/000401/BN
